# Altium PCB Velotour_2022_V1.0.PcbDoc (part 1 of 3)
Units mil, origin at the board's own origin, x right, y up, seen from the top; angles counter-clockwise.
Board outline 6692.91 x 4763.78 mil, 2 copper layers (Top Layer, Bottom Layer), stack 60.932 mil thick; 156 components, 71 nets, 485 pads, 733 vias.
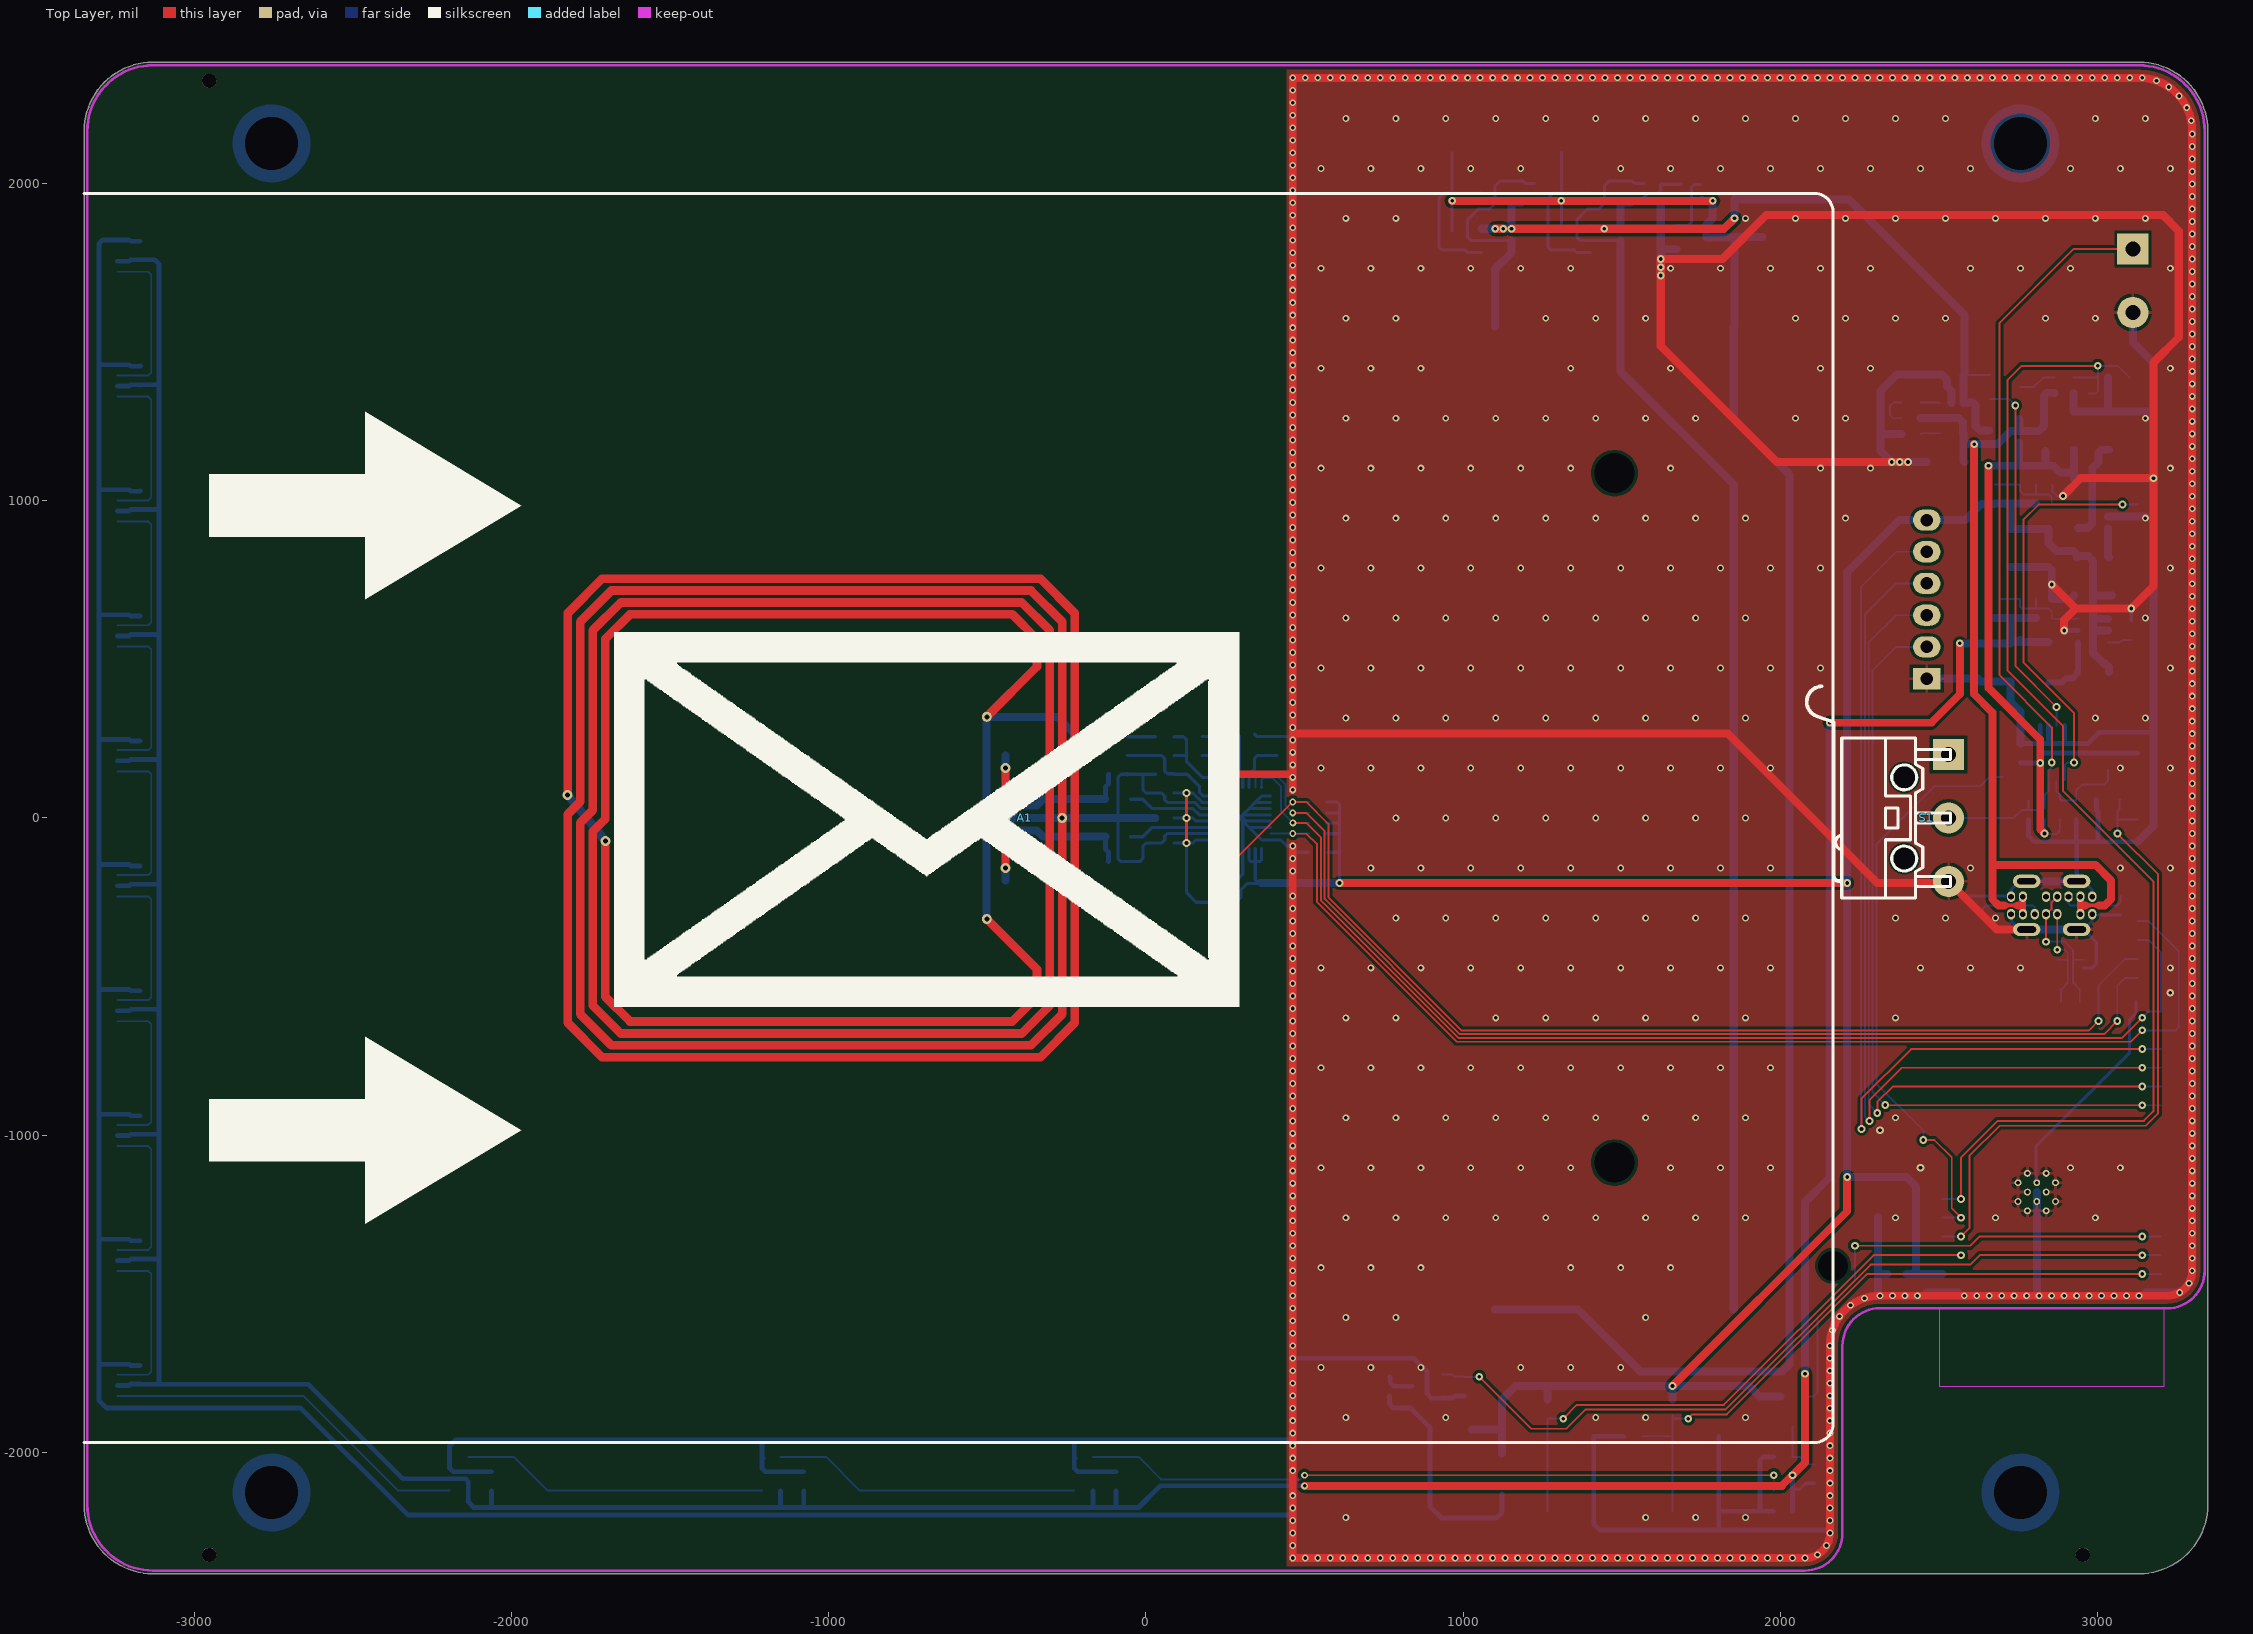
[diagram p0: Top Layer view]
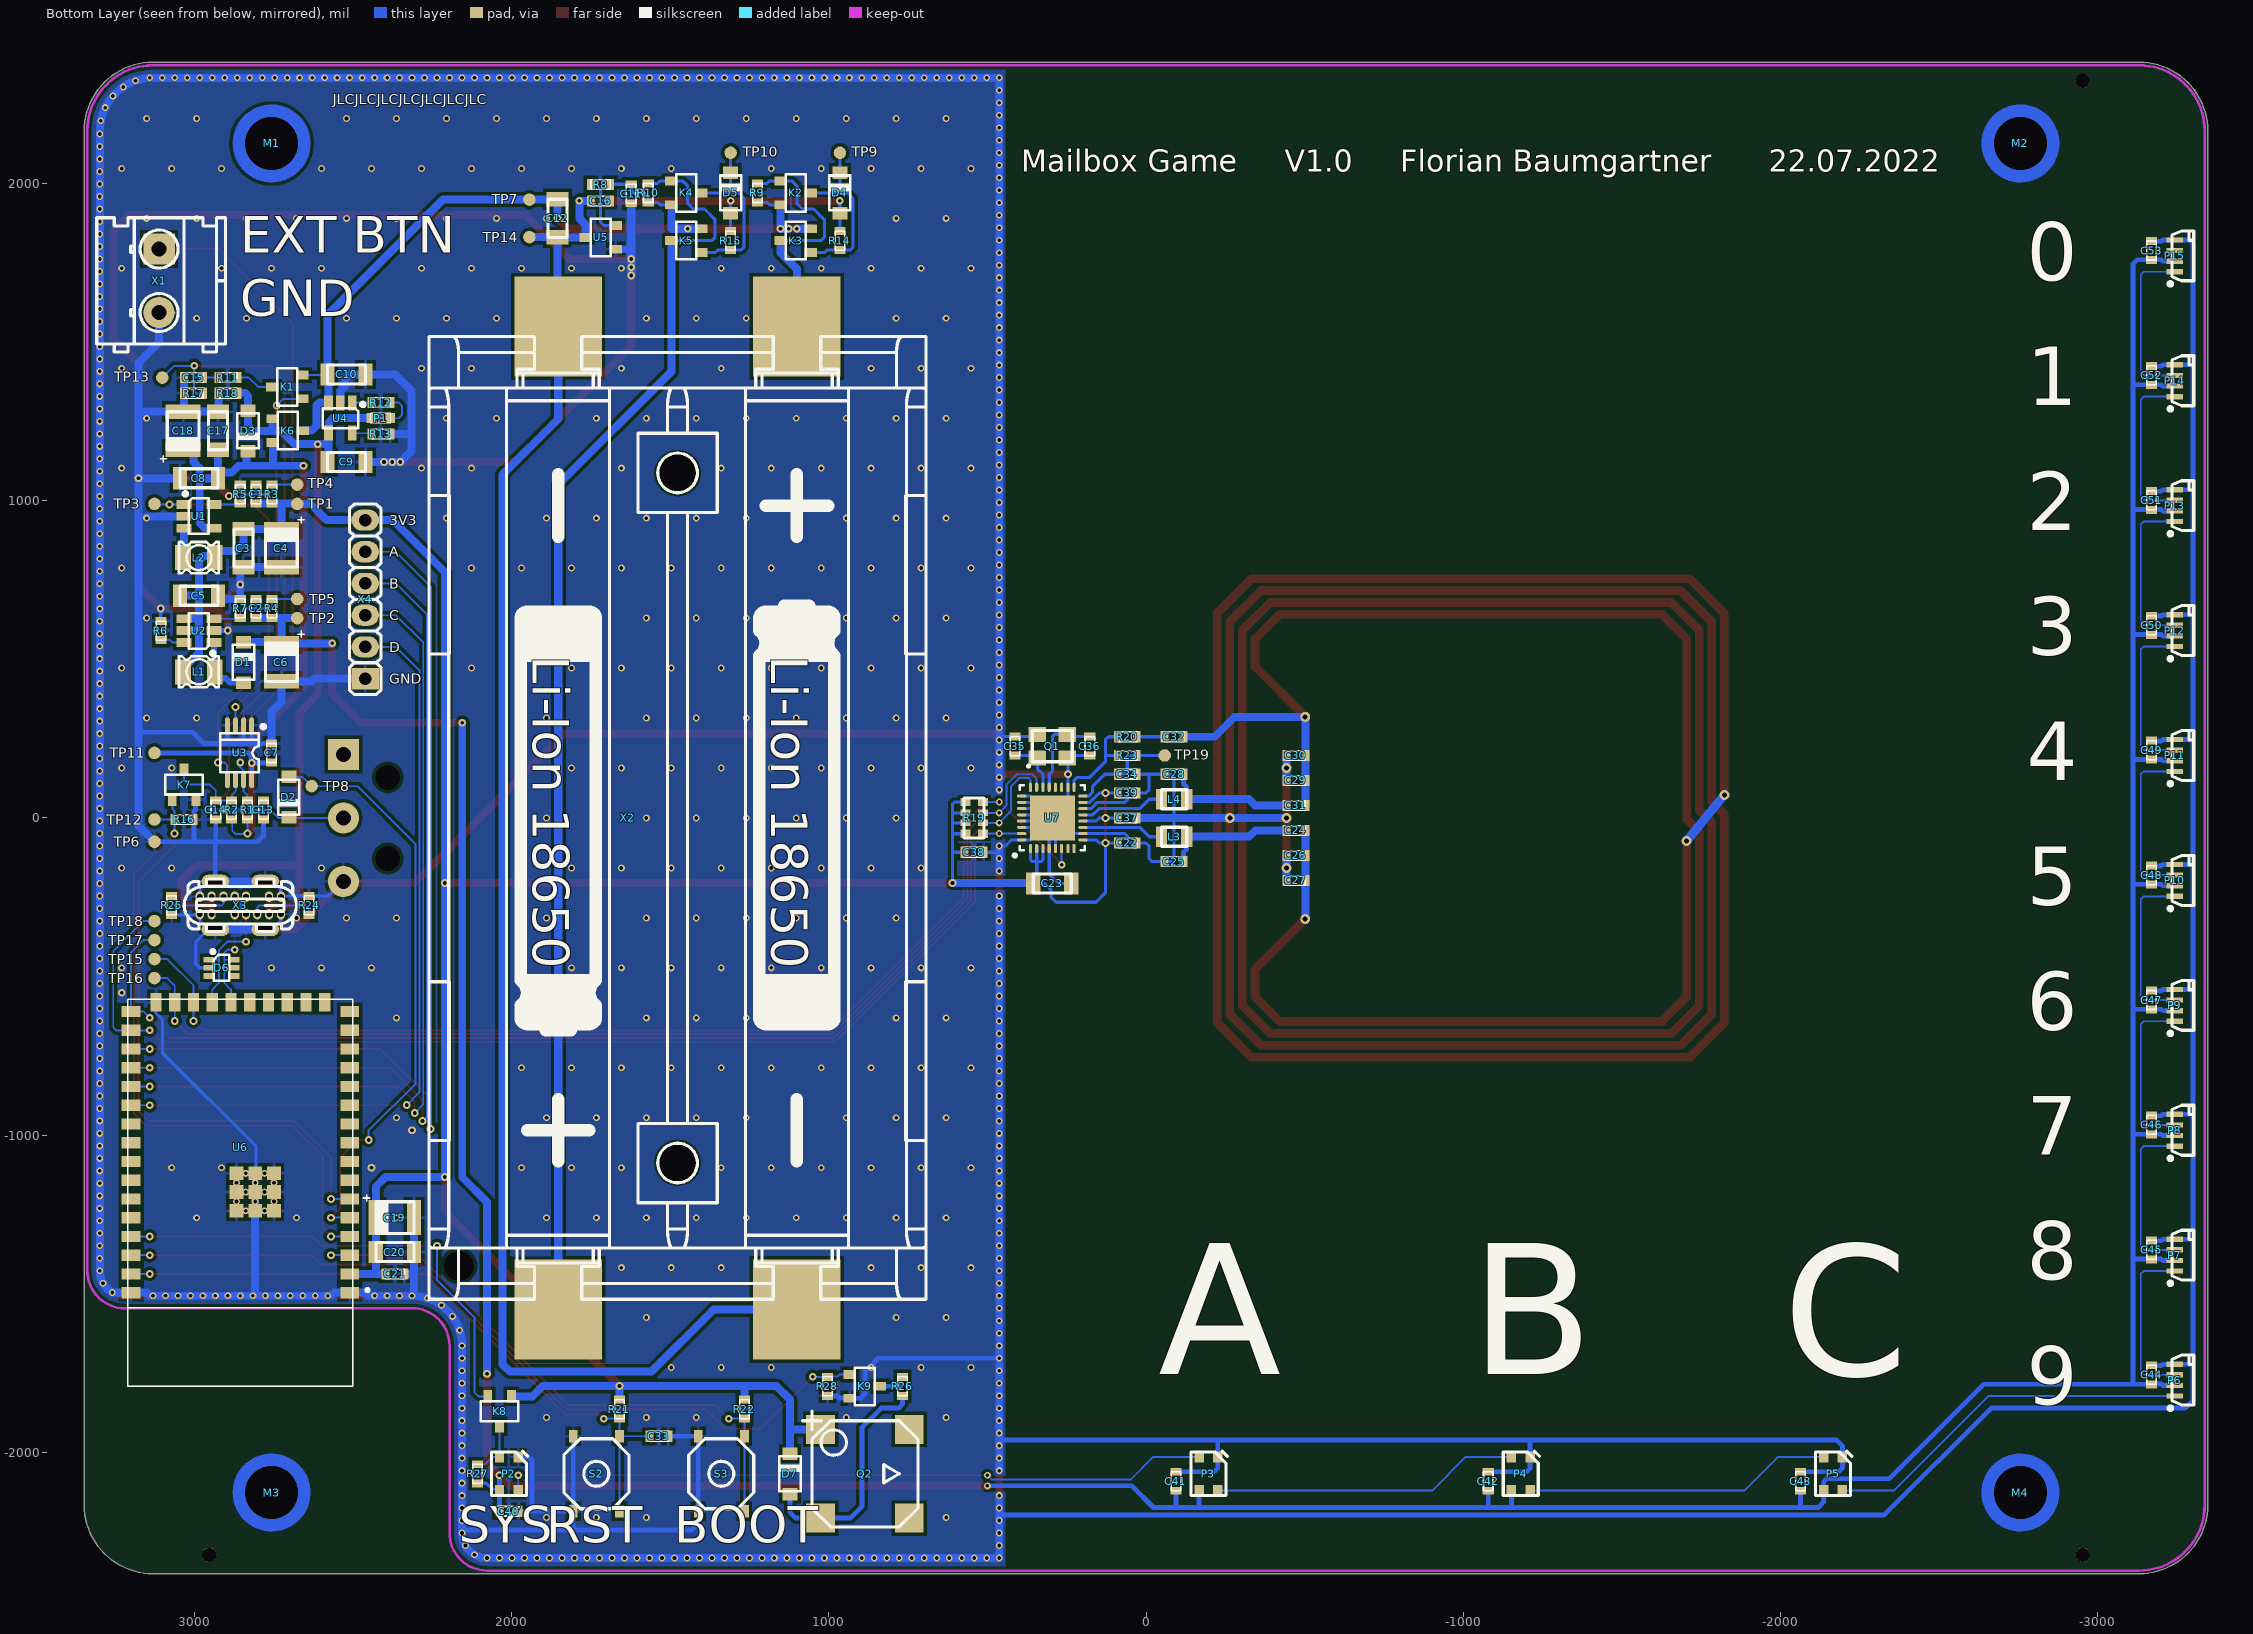
[diagram p1: Bottom Layer view, seen from below]

## Layer stack, top to bottom
Top Solder: solder mask 0.4, Solder Resist, Dk 3.5
Top Layer: signal copper 1.4
Dielectric1: dielectric 58.1323, FR-4, Dk 4.8
Bottom Layer: signal copper 1.4
Bottom Solder: solder mask 0.4, Solder Resist, Dk 3.5

## Board outline
-3346.46,-2165.35 -3346.46,0 -3346.46,2165.35 cw(c-3129.92,2165.35) -3129.92,2381.89 0,2381.89 3129.92,2381.89 cw(c3129.92,2165.35) 3346.46,2165.35 3346.46,0 3346.46,-2165.35 cw(c3129.92,-2165.35) 3129.92,-2381.89 0,-2381.89 -3129.92,-2381.89 cw(c-3129.92,-2165.35)

## Design rules (kind name [scope] priority, off if disabled: settings)
Clearance Clearance_Antenna [InNet('GND') OR  InNet('NetA1_1') OR  InNet('NetA1_2') vs InNet('NetA1_1') OR  InNet('NetA1_2')] p1: gap=0 ignorepadtopadclearanceinfootprint=TRUE
Clearance Ploygon [InPoly] p2: gap=10 ignorepadtopadclearanceinfootprint=FALSE
Clearance [All] p3: gap=6 ignorepadtopadclearanceinfootprint=FALSE
ComponentClearance ComponentClearance_Connectors [HasFootprint('SMD Inductor 7x7x4.5 NP')] p1: gap=0 collisioncheckmode=3 verticalgap=0 showdistances=FALSE
ComponentClearance ComponentClearance_Mechanical [(Identifier = 'M3 x 0.5mm Thread 6mm LONG SOCKET HEAD CAP SCREW') OR (Identifier = 'Hex Spacer FF M3 L10mm') OR (Identifier = 'Spacerboard')] p2: gap=0 collisioncheckmode=3 verticalgap=0 showdistances=FALSE
ComponentClearance [All] p3: gap=7.87 collisioncheckmode=3 verticalgap=7.87 showdistances=TRUE
DiffPairsRouting [All] p1: maxlimit=10 minlimit=6 mostfreqgap=6 toplayer_minwidth=6 toplayer_maxwidth=15 toplayer_prefwidth=6 bottomlayer_minwidth=6 bottomlayer_maxwidth=15 bottomlayer_prefwidth=6 maxuncoupledlength=500
FabricationTestPointUsage TestPointUsage [All] p1: valid=0 allowmultiple=FALSE
FabricationTestpoint Testpoint [All] p1: side=3 testpointundercomponent=TRUE minsize=40 maxsize=100 preferedsize=60 minholesize=0 maxholesize=40 preferedholesize=32 testpointgrid=1 allowsidetop=TRUE allowsidebottom=TRUE usegrid=TRUE gridtolerance=0.01
HoleSize [All] p1: absolutevalues=TRUE maxlimit=1000 minlimit=1 maxpercent=80.000 minpercent=20.000
PolygonConnect [All] p1: thpad.connectstyle=Relief thpad.reliefconductorwidth=10 thpad.reliefentries=4 thpad.polygonreliefangle="90 Angle" thpad.airgapwidth=10 smdpad.connectstyle=Relief smdpad.reliefconductorwidth=10 smdpad.reliefentries=4 smdpad.polygonreliefangle="90 Angle" smdpad.airgapwidth=10 via.connectstyle=Direct via.reliefconductorwidth=10 via.reliefentries=4 via.polygonreliefangle="90 Angle" via.airgapwidth=10
RoutingVias [All] p1: holewidth=28 width=50 viastyle="Through Hole" minholewidth=28 minwidth=50 maxholewidth=28 maxwidth=50
ShortCircuit ShortCircuit_Antenna [InNet('GND') OR  InNet('NetA1_1') OR  InNet('NetA1_2') vs InNet('NetA1_1') OR  InNet('NetA1_2')] p1: allowed=TRUE
ShortCircuit [All] p2: allowed=FALSE
SolderMaskExpansion [All] p1: expansion=4 istentingtop=FALSE
UnRoutedNet [NOT (InNet('NetA1_1') OR InNet('NetA1_2'))] p1:
Width [All] p1: maxlimit=19685.04 minlimit=6 preferedwidth=10
23 further rules are at their usual default settings.

## Classes and differential pairs
differential pair USB_D: +USB_D_P -USB_D_N

## Components (designator, comment, footprint, x,y, rotation, side; value= is the part's Value field where it differs from the comment)
A1 "13.56MHz" "SMD LOOP-ANTENNA 13.56MHZ" -1023.62,0 r270 top locked
C1 "27pF" "SMD Keramikkondensator 0603" 2804.72,1020.47 r90 bottom
C2 "27pF" "SMD Keramikkondensator 0603" 2804.72,660.47 r90 bottom
C3 "10µF" "SMD Keramikkondensator 1206" 2844.72,850.47 r90 bottom
C4 "100µF" "SMD Tantalkondensator 1210 +" 2724.72,850.47 r270 bottom
C5 "10µF" "SMD Keramikkondensator 1206" 2984.72,700.47 r0 bottom
C6 "100µF" "SMD Tantalkondensator 1210 +" 2724.72,490.47 r270 bottom
C7 "100nF" "SMD Keramikkondensator 0603" 2755.91,204.72 r270 bottom
C8 "10µF" "SMD Keramikkondensator 1206" 2984.72,1070.47 r180 bottom
C9 "10µF" "SMD Keramikkondensator 1206" 2519.69,1122.05 r0 bottom
C10 "10µF" "SMD Keramikkondensator 1206" 2519.69,1397.64 r0 bottom
C11 "1µF" "SMD Keramikkondensator 0603" 1622.44,1967.32 r90 bottom
C12 "10µF" "SMD Keramikkondensator 1206" 1854.88,1889.76 r90 bottom
C13 "10nF" "SMD Keramikkondensator 0603" 2781.73,25.35 r90 bottom
C14 "100nF" "SMD Keramikkondensator 0603" 2931.73,25.35 r90 bottom
C15 "10nF" "SMD Keramikkondensator 0603" 3001.97,1387.8 r180 bottom
C16 "100nF" "SMD Keramikkondensator 0603" 1719.06,1944.88 r180 bottom
C17 "10µF" "SMD Keramikkondensator 1206" 2924.72,1220.47 r270 bottom
C18 "100µF" "SMD Tantalkondensator 1210 +" 3034.72,1220.47 r90 bottom
C19 "100µF" "SMD Tantalkondensator 1210 +" 2367.2,-1259.84 r180 bottom
C20 "10µF" "SMD Keramikkondensator 1206" 2367.2,-1368.11 r0 bottom
C21 "100nF" "SMD Keramikkondensator 0603" 2366.73,-1437.01 r0 bottom
C22 "1µF" "SMD Keramikkondensator 0603" 59.06,-78.74 r0 bottom
C23 "10µF" "SMD Keramikkondensator 1206" 295.55,-206.42 r0 bottom
C24 "15pF" "SMD Keramikkondensator 0603" -472.44,-39.37 r180 bottom
C25 "47pF" "SMD Keramikkondensator 0603" -88.58,-137.8 r0 bottom
C26 "180pF" "SMD Keramikkondensator 0603" -472.44,-118.11 r0 bottom
C27 "10pF" "SMD Keramikkondensator 0603" -472.44,-196.85 r0 bottom
C28 "47pF" "SMD Keramikkondensator 0603" -88.58,137.8 r180 bottom
C29 "180pF" "SMD Keramikkondensator 0603" -472.44,118.11 r180 bottom
C30 "10pF" "SMD Keramikkondensator 0603" -472.44,196.85 r180 bottom
C31 "15pF" "SMD Keramikkondensator 0603" -472.44,39.37 r180 bottom
C32 "100nF" "SMD Keramikkondensator 0603" -88.58,255.91 r0 bottom
C33 "100nF" "SMD Keramikkondensator 0603" 1535.43,-1948.82 r0 bottom
C34 "100nF" "SMD Keramikkondensator 0603" 59.06,137.8 r0 bottom
C35 "15pF" "SMD Keramikkondensator 0603" 413.39,226.38 r90 bottom
C36 "15pF" "SMD Keramikkondensator 0603" 177.17,226.38 r270 bottom
C37 "100nF" "SMD Keramikkondensator 0603" 59.06,0 r0 bottom
C38 "100nF" "SMD Keramikkondensator 0603" 541.61,-107.99 r0 bottom
C39 "100nF" "SMD Keramikkondensator 0603" 59.06,78.74 r0 bottom
C40 "100nF" "SMD Keramikkondensator 0603" 2007.87,-2185.04 r0 bottom
C41 "100nF" "SMD Keramikkondensator 0603" -94.49,-2090.55 r270 bottom
C42 "100nF" "SMD Keramikkondensator 0603" -1078.74,-2090.55 r270 bottom
C43 "100nF" "SMD Keramikkondensator 0603" -2062.99,-2090.55 r270 bottom
C44 "100nF" "SMD Keramikkondensator 0603" -3169.29,-1754.92 r270 bottom
C45 "100nF" "SMD Keramikkondensator 0603" -3169.29,-1361.22 r270 bottom
C46 "100nF" "SMD Keramikkondensator 0603" -3169.29,-967.52 r270 bottom
C47 "100nF" "SMD Keramikkondensator 0603" -3169.29,-573.82 r270 bottom
C48 "100nF" "SMD Keramikkondensator 0603" -3169.29,-180.12 r270 bottom
C49 "100nF" "SMD Keramikkondensator 0603" -3169.29,213.58 r270 bottom
C50 "100nF" "SMD Keramikkondensator 0603" -3169.29,607.28 r270 bottom
C51 "100nF" "SMD Keramikkondensator 0603" -3169.29,1000.98 r270 bottom
C52 "100nF" "SMD Keramikkondensator 0603" -3169.29,1394.68 r270 bottom
C53 "100nF" "SMD Keramikkondensator 0603" -3169.29,1788.39 r270 bottom
D1 "B5819W" "SMD Diode SOD-123" 2844.72,490.47 r270 bottom
D2 "B5819W" "SMD Diode SOD-123" 2701.73,65.35 r90 bottom
D3 "B5819W" "SMD Diode SOD-123" 2830,1220 r90 bottom
D4 "B5819W" "SMD Diode SOD-123" 964.88,1969.68 r270 bottom
D5 "B5819W" "SMD Diode SOD-123" 1309.06,1969.68 r270 bottom
D6 "PD4E1U06" "SMD IC SOT-363 (SC-70-6)" 2913.39,-472.44 r0 bottom
D7 "B5819W" "SMD Diode SOD-123" 1122.05,-2066.93 r270 bottom
K1 "BSS84" "SMD MOSFET SOT-23" 2706.69,1358.27 r0 bottom
K2 "BSS84" "SMD MOSFET SOT-23" 1104.57,1969.68 r180 bottom
K3 "AO3401A" "SMD MOSFET SOT-23" 1104.57,1819.68 r0 bottom
K4 "BSS84" "SMD MOSFET SOT-23" 1448.74,1969.68 r180 bottom
K5 "AO3401A" "SMD MOSFET SOT-23" 1448.74,1819.68 r0 bottom
K6 "AO3401A" "SMD MOSFET SOT-23" 2704.72,1220.47 r180 bottom
K7 "2N7002" "SMD MOSFET SOT-23" 3031.73,105.35 r90 bottom
K8 "2N7002" "SMD MOSFET SOT-23" 2037.4,-1870.08 r270 bottom
K9 "AO3400A" "SMD MOSFET SOT-23" 885.83,-1791.34 r180 bottom
L1 "4.7µH" "SMD Inductor 3.2x2.5x1.7" 2984.72,460.47 r180 bottom
L2 "4.7µH" "SMD Inductor 3.2x2.5x1.7" 2984.72,820.47 r180 bottom
L3 "2.2µH" "SMD Inductor 0805" -88.58,-59.06 r180 bottom
L4 "2.2µH" "SMD Inductor 0805" -88.58,59.06 r180 bottom
M1 "SMTSO-M3-3ET" "SMD SOLDER-NUT (M3 3MM)" 2755.91,2125.98 r180 bottom locked
M2 "SMTSO-M3-3ET" "SMD SOLDER-NUT (M3 3MM)" -2755.91,2125.98 r180 bottom locked
M3 "SMTSO-M3-3ET" "SMD SOLDER-NUT (M3 3MM)" 2755.91,-2125.98 r180 bottom locked
M4 "SMTSO-M3-3ET" "SMD SOLDER-NUT (M3 3MM)" -2755.91,-2125.98 r180 bottom locked
P1 "Red" "SMD LED 0603" 2411.42,1259.84 r180 bottom
P2 "WS2812" "SMD LED WS2812B-3528" 2007.87,-2066.93 r90 bottom
P3 "WS2812" "SMD LED WS2812B-3528" -196.85,-2066.93 r90 bottom
P4 "WS2812" "SMD LED WS2812B-3528" -1181.1,-2066.93 r90 bottom
P5 "WS2812" "SMD LED WS2812B-3528" -2165.35,-2066.93 r90 bottom
P6 "WS2812" "SMD LED WS2812B-4020" -3267.72,-1771.65 r270 bottom
P7 "WS2812" "SMD LED WS2812B-4020" -3267.72,-1377.95 r270 bottom
P8 "WS2812" "SMD LED WS2812B-4020" -3267.72,-984.25 r270 bottom
P9 "WS2812" "SMD LED WS2812B-4020" -3267.72,-590.55 r270 bottom
P10 "WS2812" "SMD LED WS2812B-4020" -3267.72,-196.85 r270 bottom
P11 "WS2812" "SMD LED WS2812B-4020" -3267.72,196.85 r270 bottom
P12 "WS2812" "SMD LED WS2812B-4020" -3267.72,590.55 r270 bottom
P13 "WS2812" "SMD LED WS2812B-4020" -3267.72,984.25 r270 bottom
P14 "WS2812" "SMD LED WS2812B-4020" -3267.72,1377.95 r270 bottom
P15 "WS2812" "SMD LED WS2812B-4020" -3267.72,1771.65 r270 bottom
Q1 "27.12MHz" "SMD Crystal 3.2X2.5X0.8" 295.28,226.38 r0 bottom
Q2 "MLT-8530" "SMD Buzzer (MLT-8530)" 885.83,-2066.93 r180 bottom
R1 "330k" "SMD Widerstand 0603" 2831.73,25.35 r270 bottom
R2 "330k" "SMD Widerstand 0603" 2881.73,25.35 r270 bottom
R3 "100k" "SMD Widerstand 0603" 2754.72,1020.47 r270 bottom
R4 "110k" "SMD Widerstand 0603" 2754.72,660.47 r270 bottom
R5 "22k" "SMD Widerstand 0603" 2854.72,1020.47 r270 bottom
R6 "68k" "SMD Widerstand 0603" 3104.72,590.47 r90 bottom
R7 "15k" "SMD Widerstand 0603" 2854.72,660.47 r270 bottom
R8 "1k" "SMD Widerstand 0603" 1719.06,1996.06 r180 bottom
R9 "100k" "SMD Widerstand 0603" 1224.57,1969.68 r270 bottom
R10 "100k" "SMD Widerstand 0603" 1568.74,1969.68 r270 bottom
R11 "100k" "SMD Widerstand 0603" 2893.7,1387.8 r180 bottom
R12 "1k" "SMD Widerstand 0603" 2411.42,1309.05 r0 bottom
R13 "1.2k" "SMD Widerstand 0603" 2411.42,1210.63 r0 bottom